# Altium PCB FMC_DAC_125M_14B_16CHA.PcbDoc (part 9 of 9) (continued)
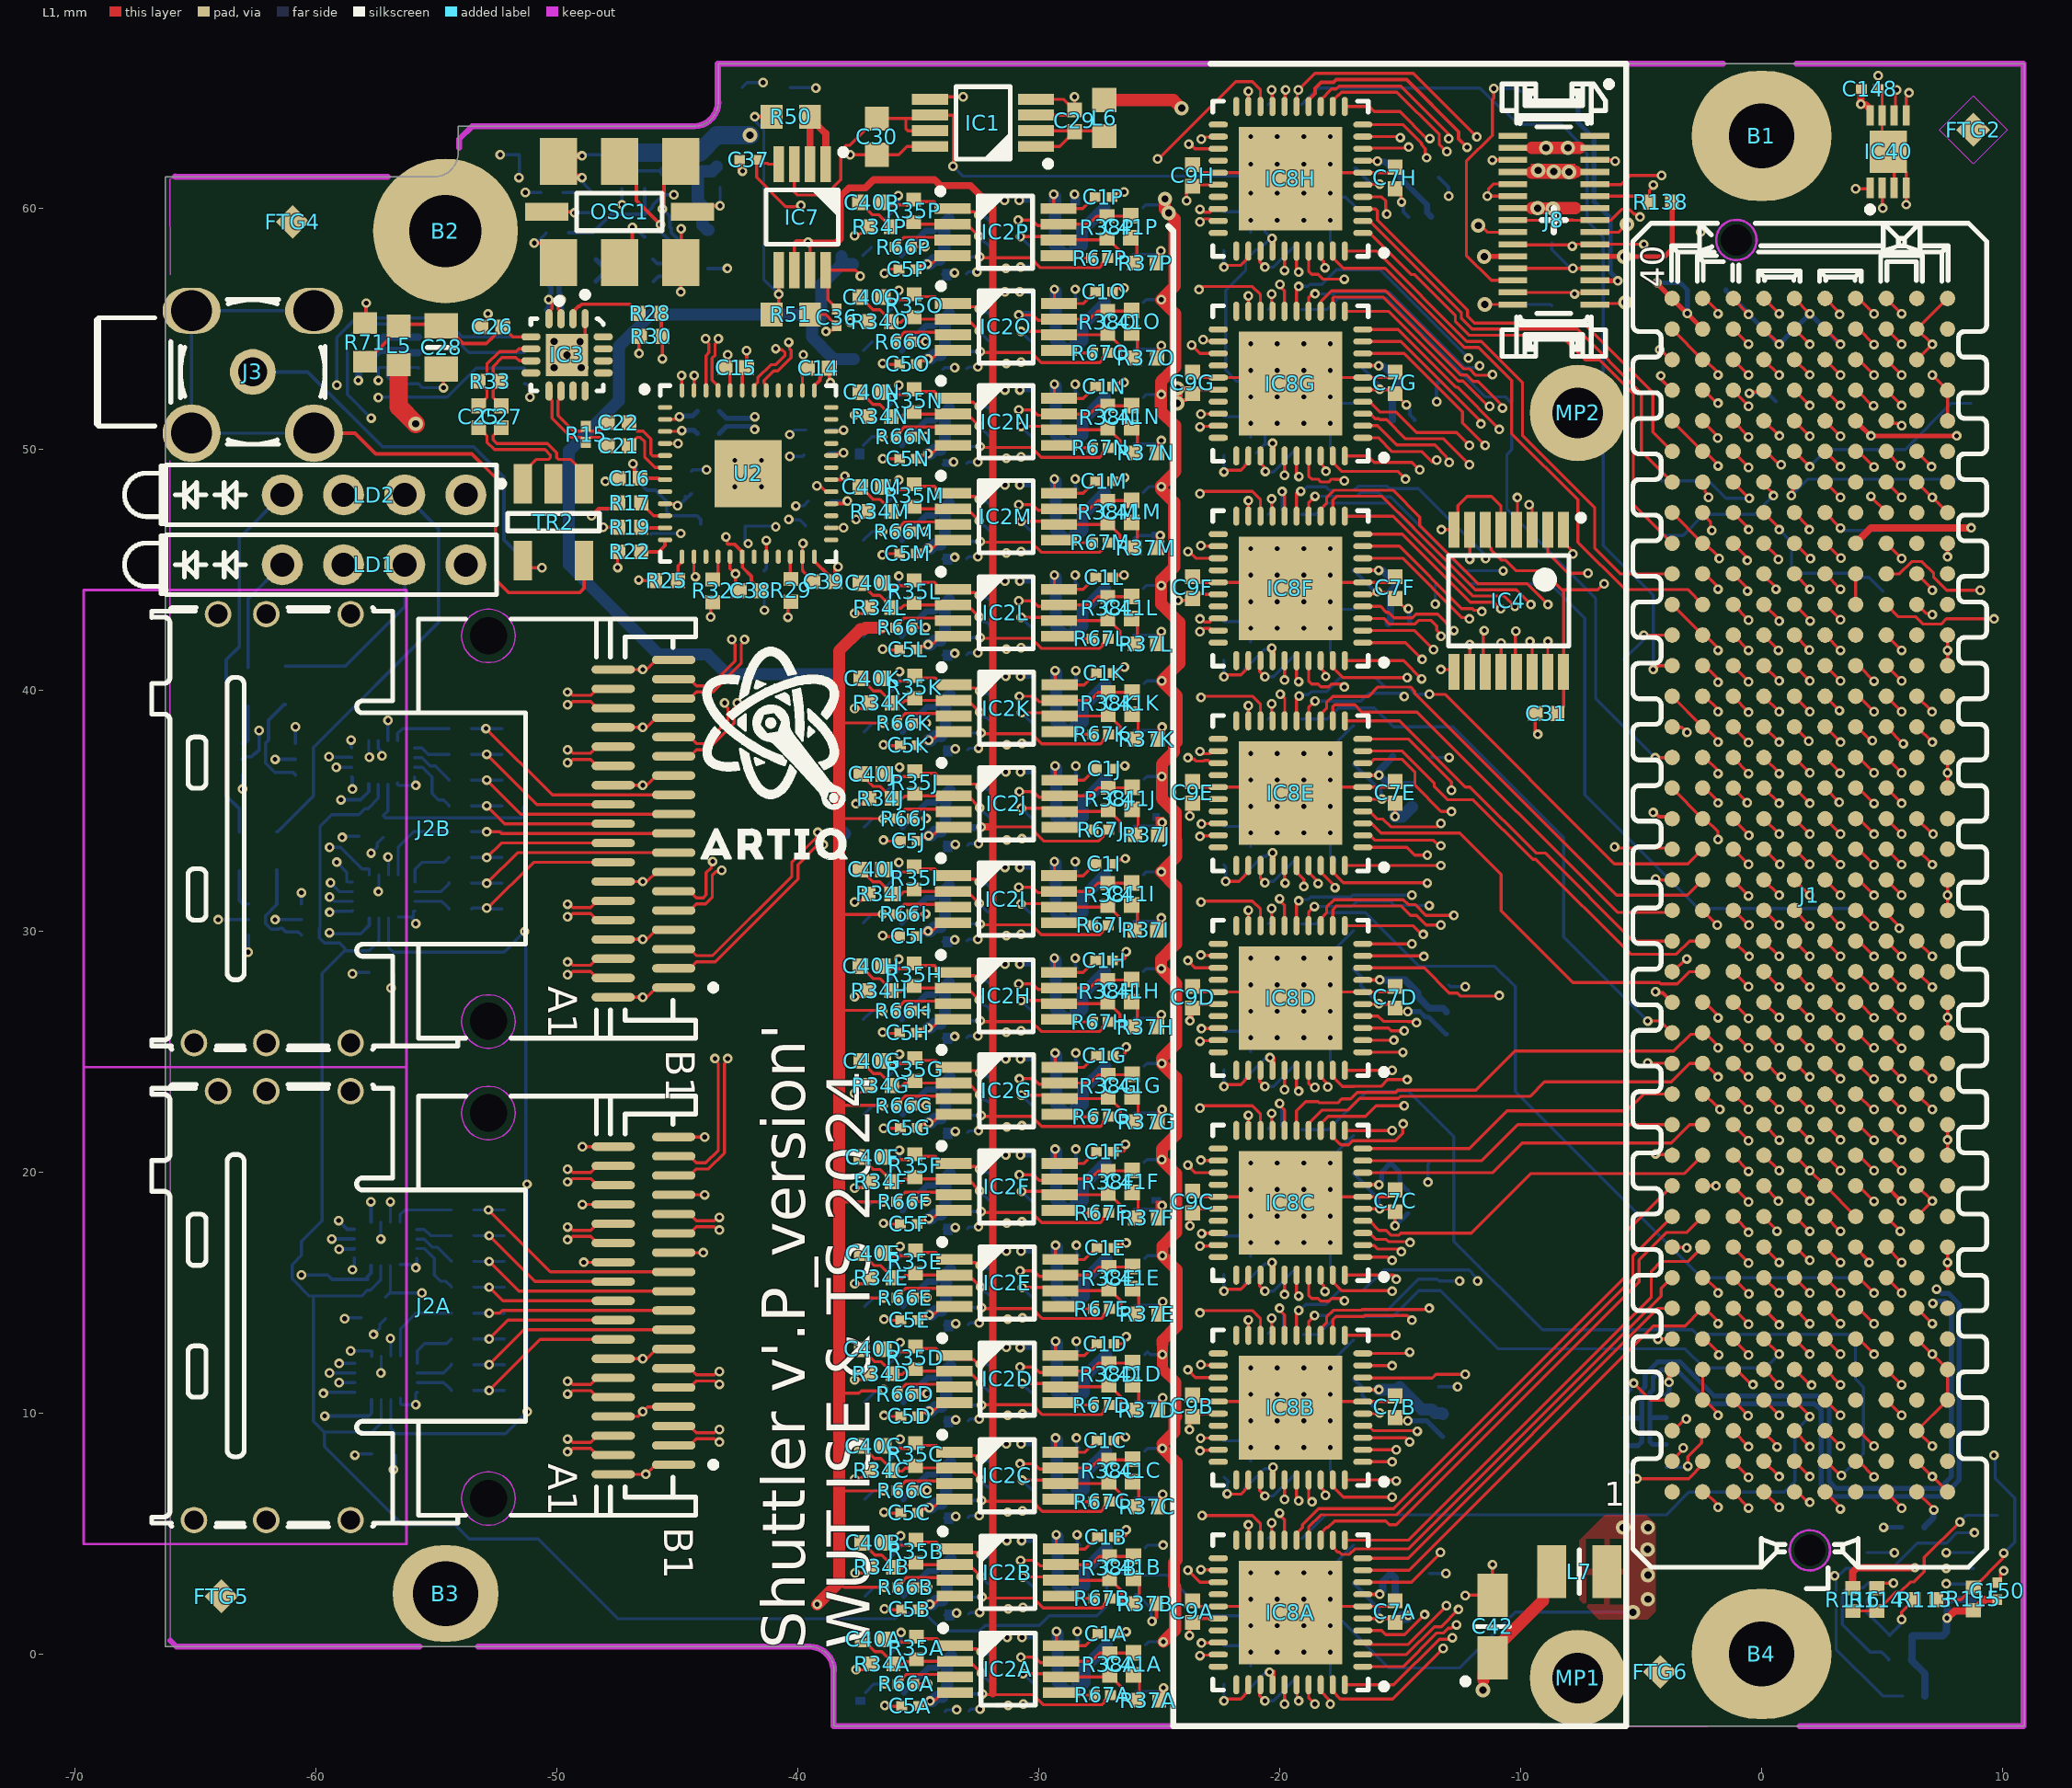
[diagram p0: L1 view]
## Nets (pads, with @x,y where several pads share a name; then routed paths per layer and width w, separated by ;. In a path a pad name is that pad's centre, name@x,y a point inside that pad or via, vN(x,y) a via of type N, cw(c..) or ccw(c..) an arc to the next point about the centre after c; other vN are vias at no path point) (continued)
  other v4: -11.565,-1.5
VIO_B_M2C: J1.j39 J1.k40 R12.2 | length 5.2
  L1 w0.127: J1.j39@-2.445,54.986 J1.j39@-2.357,54.986
  L1 w0.2: v1@-4.35,56.891 J1.k40@-3.715,56.256 J1.j39@-2.445,54.986
  L8 w0.2: v1(-4.35,56.907) -3.368,56.907 R12.2@-3.08,56.619 v1(-3.08,55.637)
VREF_A_M2C: J1.h1 | length 0.9
  L1 w0.127: J1.h1@-1.175,6.726 -1.175,6.71 -0.54,6.075 v1(-0.54,6.059)
pads on no net: FTG1.1 FTG2.1 FTG3.1 FTG4.1 FTG5.1 FTG6.1 IC3.8 IC3.11 IC3.12 IC3.13 IC3.14 IC3.15 IC3.16 IC8A.20 IC8A.21 IC8A.24 IC8A.27 IC8A.30 IC8A.31 IC8B.20 IC8B.21 IC8B.24 IC8B.27 IC8B.30 IC8B.31 IC8C.20 IC8C.21 IC8C.24 IC8C.27 IC8C.30 IC8C.31 IC8D.20 IC8D.21 IC8D.24 IC8D.27 IC8D.30 IC8D.31 IC8E.20 IC8E.21 IC8E.24 IC8E.27 IC8E.30 IC8E.31 IC8F.20 IC8F.21 IC8F.24 IC8F.27 IC8F.30 IC8F.31 IC8G.20 IC8G.21 IC8G.24 IC8G.27 IC8G.30 IC8G.31 IC8H.20 IC8H.21 IC8H.24 IC8H.27 IC8H.30 IC8H.31 J1.1 J1.2 J1.a2 J1.a3 J1.a6 J1.a7 J1.a10 J1.a11 J1.a14 J1.a15 J1.a18 J1.a19 J1.a22 J1.a23 J1.a26 J1.a27 J1.a30 J1.a31 J1.a34 J1.a35 J1.a38 J1.a39 J1.b4 J1.b5 J1.b8 J1.b9 J1.b12 J1.b13 J1.b16 J1.b17 J1.b20 J1.b21 J1.b24 J1.b25 J1.b28 J1.b29 J1.b32 J1.b33 J1.b36 J1.b37 J1.b40 J1.c2 J1.c3 J1.c6 J1.c7 J1.d1 J1.d4 J1.d5 J1.d29 J1.d33 J1.d34 J1.k1 J2A.MTG1 J2A.MTG2 J2B.MTG1 J2B.MTG2 J8.1 J8.2 TR2.2 U2.1 U2.8 U2.15 U2.19 U2.21 U2.25 U2.27 U2.31 U2.33 U2.35 U2.36 U2.39 U2.40

## Polygon pours and split planes (outlines as drawn)
VADJ on L1 "O8_Vs2" (solid, remove dead copper, pour order 1): -7.569,2.242 -6.757,1.431 -4.731,1.431 -4.408,1.754 -4.408,5.403 -4.777,5.772 -6.512,5.772 -7.569,4.716
P1V8A on L3 "dd" (solid, remove dead copper, pour order 10): -12.115,58.909 -11.959,58.753 -4.913,58.756 -4.558,59.111 -4.558,61.258 -8.853,65.553 -17.944,65.553 -18.395,66.004 -40.053,66.004 -46.91,59.147 -47.035,59.147 -51.34,54.842 -51.34,47.044 -48.383,44.086 -42.766,44.086 -41.445,45.407 -41.445,58.241 -36.944,62.742 -26.863,62.742 -25.099,64.507 -21.898,64.507 -21.688,64.297 -21.215,64.297 -21.215,5.085 -20.927,4.797 -19.615,4.797 -17.908,6.504 -17.908,63.472 -12.281,63.472 -11.959,63.15 -11.959,61.72 -12.115,61.564 -12.115,59.634
VADJ_BUF on L3 "O8_Vs2" (solid, remove dead copper, pour order 5): -17.192,1.46 -13.664,-2.068 -10.635,-2.068 -10.018,-1.451 -10.018,-0.305 -10.997,0.674 -12.402,0.674 -14.3,2.572 -14.3,62.236 -15.037,62.972 -16.485,62.972 -17.192,62.265
VADJ on L3 "O8_Vs2" (solid, remove dead copper, pour order 0): -1.175,56.248 -1.175,54.189 -0.384,53.398 0.981,53.398 1.642,52.737 1.642,48.359 5.815,44.186 5.815,9.213 2.692,6.091 -6.194,6.091 -7.569,4.716 -7.569,2.242 -6.715,1.389 -6.715,1.285 6.29,1.285 8.833,3.827 8.833,45.586 4.148,50.27 4.148,54.373 2.163,56.358 -1.065,56.358
P3V3 on L3 "O8_Vs2" (solid, remove dead copper, pour order 2): 2.703,58.732 6.348,55.086 6.348,52.979 5.302,51.933 5.302,50.515 4.905,50.118 4.148,50.118 4.148,50.832 4.401,51.085 4.315,51.172 4.315,54.576 2.43,56.46 -10.918,56.46 -11.701,57.243 -11.959,57.501 -11.958,58.565 -11.792,58.732
P3V3A on L3 "O8_Vs2" (solid, remove dead copper, pour order 4): -24.349,-0.244 -22.559,-0.244 -21.577,0.738 -21.577,63.925 -22.052,64.4 -24.516,64.4 -24.516,61.997 -24.421,61.903 -24.421,-0.172
NetC13_2 on L5 "O8_Vs2" (solid, remove dead copper, pour order 11): -47.299,50.014 -45.151,52.162 -42.766,54.547 -41.825,54.547 -41.309,54.032 -41.309,52.32 -40.902,51.912 -40.146,51.912 -38.794,53.264 -38.407,53.264 -37.75,52.607 -37.75,44.817 -38.01,44.558 -38.072,44.62 -38.588,44.62 -39.507,45.541 -44.823,45.541 -47.299,48.016
P3V3A on L5 "O8_Vs2" (solid, remove dead copper, pour order 13): -24.585,51.786 -23.054,51.779 -21.577,53.255 -21.577,56.419 -20.19,57.806 -16.295,57.806 -13.724,55.235 -5.354,55.235 -4.542,56.047 -4.751,56.257 -4.751,56.692 -4.935,56.692 -5.181,56.938 -11.558,56.938 -15.302,60.682 -24.47,60.682 -24.933,60.22 -24.933,52.133
P5V0A on L7 "O8_Vs2" (solid, remove dead copper, pour order 14): -25.363,60.89 -23.824,62.429 -12.641,62.429 -10.708,60.496 -8.474,60.496 -8.091,60.113 -8.091,59.1 -8.864,58.326 -24.179,58.326 -25.363,59.51
P12V0 on L7 "O8_Vs2" (solid, remove dead copper, pour order 12): 5.074,48.859 5.856,48.859 6.813,49.816 6.813,54.424 2.911,58.326 -2.247,58.326 -7.182,63.26 -9.425,63.26 -9.897,62.788 -9.897,62.13 -9.722,61.956 -8.018,61.956 -7.247,61.185 -7.247,59.305 -2.805,54.863 2.757,54.863 4.148,53.472 4.148,48.865
N3V0A on L8 "L8-N3V0A" (solid, remove dead copper, pour order 8): -7.597,60.789 -7.542,60.734 -7.247,61.029 -7.247,61.546 -7.811,62.111 -8.919,62.111 -11.795,64.987 -37.141,64.987 -40.781,61.347 -40.781,57.056 -41.745,56.092 -46.547,56.092 -51.12,51.518 -51.12,44.824 -45.268,38.972 -40.859,38.972 -39.706,37.819 -39.706,29.649 -39.706,1.257 -36.2,1.257 -36.2,46.807 -46.997,46.807 -46.997,50.159 -44.634,52.522 -40.52,52.522 -36.45,52.522 -36.45,60.341 -34.592,62.2 -13.111,62.2 -11.672,60.762 -7.772,60.762 -7.991,60.789
P5V0A on L8 "O8_Vs2" (solid, remove dead copper, pour order 15): -25.914,0.034 -25.37,-0.511 -24.092,-0.511 -23.315,0.266 -23.315,60.39 -23.975,61.05 -25.67,61.05 -25.914,60.806
GND on P4 (split plane): 10.39,-2.49 -37.99,-2.49 -37.99,-0.7 -37.99,-0.698 -37.999,-0.531 -38.028,-0.364 -38.074,-0.201 -38.139,-0.045 -38.221,0.104 -38.319,0.242 -38.432,0.368 -38.558,0.481 -38.696,0.579 -38.845,0.661 -39.001,0.726 -39.164,0.773 -39.331,0.801 -39.479,0.809 -39.489,0.81 -39.494,0.81 -39.497,0.81 -39.5,0.81 -65.739,0.81 -65.739,60.79 -55.1,60.79 -55.099,60.79 -55.074,60.791 -55.064,60.791 -55.057,60.792 -54.931,60.799 -54.764,60.828 -54.601,60.874 -54.445,60.939 -54.296,61.021 -54.158,61.119 -54.032,61.232 -53.919,61.358 -53.821,61.496 -53.739,61.645 -53.674,61.801 -53.628,61.964 -53.599,62.131 -53.592,62.266 -53.59,62.275 -53.591,62.284 -53.59,62.298 -53.59,62.3 -53.59,62.89 -44.3,62.89 -44.298,62.89 -44.131,62.899 -43.964,62.928 -43.801,62.974 -43.645,63.039 -43.496,63.121 -43.358,63.219 -43.232,63.332 -43.119,63.458 -43.021,63.596 -42.939,63.745 -42.874,63.901 -42.828,64.064 -42.799,64.231 -42.79,64.399 -42.79,64.4 -42.79,65.49 10.39,65.49
GND on P6 (split plane): 10.39,-2.49 -37.99,-2.49 -37.99,-0.7 -37.99,-0.698 -37.999,-0.531 -38.028,-0.364 -38.074,-0.201 -38.139,-0.045 -38.221,0.104 -38.319,0.242 -38.432,0.368 -38.558,0.481 -38.696,0.579 -38.845,0.661 -39.001,0.726 -39.164,0.773 -39.331,0.801 -39.479,0.809 -39.489,0.81 -39.494,0.81 -39.497,0.81 -39.5,0.81 -65.739,0.81 -65.739,60.79 -55.1,60.79 -55.099,60.79 -55.074,60.791 -55.064,60.791 -55.057,60.792 -54.931,60.799 -54.764,60.828 -54.601,60.874 -54.445,60.939 -54.296,61.021 -54.158,61.119 -54.032,61.232 -53.919,61.358 -53.821,61.496 -53.739,61.645 -53.674,61.801 -53.628,61.964 -53.599,62.131 -53.592,62.266 -53.59,62.275 -53.591,62.284 -53.59,62.298 -53.59,62.3 -53.59,62.89 -44.3,62.89 -44.298,62.89 -44.131,62.899 -43.964,62.928 -43.801,62.974 -43.645,63.039 -43.496,63.121 -43.358,63.219 -43.232,63.332 -43.119,63.458 -43.021,63.596 -42.939,63.745 -42.874,63.901 -42.828,64.064 -42.799,64.231 -42.79,64.399 -42.79,64.4 -42.79,65.49 10.39,65.49
VADJ_BUF on P2 (split plane): -14.97,61.83 -14.96,61.781 -14.932,61.739 -14.319,61.126 -14.319,60.11 -14.665,59.764 -15.517,59.764 -16.717,60.964 -16.717,63.241 -16.717,63.323 -16.727,63.373 -16.755,63.415 -17.105,63.764 -17.147,63.792 -17.196,63.802 -23.352,63.802 -23.401,63.792 -23.443,63.764 -23.755,63.453 -40.127,63.453 -40.176,63.443 -40.218,63.415 -41.454,62.179 -41.942,62.179 -43.167,63.404 -43.119,63.458 -43.021,63.596 -42.939,63.745 -42.874,63.901 -42.828,64.064 -42.799,64.231 -42.79,64.399 -42.79,64.4 -42.79,65.49 -14.97,65.49
GND on P2 (split plane): 10.39,-2.49 -37.99,-2.49 -37.99,-0.7 -37.99,-0.698 -37.999,-0.531 -38.028,-0.364 -38.074,-0.201 -38.139,-0.045 -38.221,0.104 -38.319,0.242 -38.432,0.368 -38.558,0.481 -38.696,0.579 -38.845,0.661 -39.001,0.726 -39.164,0.773 -39.331,0.801 -39.479,0.809 -39.489,0.81 -39.494,0.81 -39.497,0.81 -39.5,0.81 -65.739,0.81 -65.739,60.79 -55.1,60.79 -55.099,60.79 -55.074,60.791 -55.064,60.791 -55.057,60.792 -54.931,60.799 -54.764,60.828 -54.601,60.874 -54.445,60.939 -54.296,61.021 -54.158,61.119 -54.032,61.232 -53.919,61.358 -53.821,61.496 -53.739,61.645 -53.674,61.801 -53.628,61.964 -53.599,62.131 -53.592,62.266 -53.59,62.275 -53.591,62.284 -53.59,62.298 -53.59,62.3 -53.59,62.89 -44.3,62.89 -44.298,62.89 -44.131,62.899 -43.964,62.928 -43.801,62.974 -43.645,63.039 -43.496,63.121 -43.358,63.219 -43.353,63.224 -42.088,61.958 -42.046,61.93 -41.996,61.92 -41.4,61.92 -41.35,61.93 -41.308,61.958 -40.073,63.194 -23.701,63.194 -23.651,63.204 -23.609,63.232 -23.298,63.543 -17.25,63.543 -16.976,63.27 -16.976,63.241 -16.976,60.911 -16.966,60.861 -16.938,60.819 -15.662,59.543 -15.62,59.515 -15.571,59.505 -14.611,59.505 -14.562,59.515 -14.52,59.543 -14.098,59.964 -14.07,60.006 -14.06,60.056 -14.06,61.18 -14.07,61.229 -14.098,61.271 -14.711,61.884 -14.711,65.49 10.39,65.49

## Keep-outs
L5:
  circle w0.01: c-30.69,11.222 r0.35
  circle w0.01: c-32.421,7.228 r0.35
  circle w0.01: c-30.69,7.208 r0.35
  circle w0.01: c-32.396,3.214 r0.35
  circle w0.01: c-30.664,3.195 r0.35
  circle w0.01: c-30.655,-0.818 r0.35
  circle w0.01: c-32.386,-0.799 r0.35
  circle w0.01: c-32.497,58.84 r0.35
  circle w0.01: c-30.766,58.821 r0.35
  circle w0.01: c-32.472,54.903 r0.35
  circle w0.01: c-30.741,54.884 r0.35
  circle w0.01: c-32.472,50.966 r0.35
  circle w0.01: c-30.741,50.947 r0.35
  circle w0.01: c-32.472,47.029 r0.35
  circle w0.01: c-30.741,47.01 r0.35
  circle w0.01: c-32.472,43.041 r0.35
  circle w0.01: c-30.741,43.022 r0.35
  circle w0.01: c-32.447,39.079 r0.35
  circle w0.01: c-30.715,39.06 r0.35
  circle w0.01: c-32.447,35.117 r0.35
  circle w0.01: c-30.715,35.097 r0.35
  circle w0.01: c-32.472,31.154 r0.35
  circle w0.01: c-30.741,31.135 r0.35
  circle w0.01: c-32.472,27.141 r0.35
  circle w0.01: c-30.741,27.122 r0.35
  circle w0.01: c-32.447,23.204 r0.35
  circle w0.01: c-30.715,23.185 r0.35
  circle w0.01: c-32.447,19.216 r0.35
  circle w0.01: c-30.715,19.197 r0.35
  circle w0.01: c-32.421,15.229 r0.35
  circle w0.01: c-30.69,15.209 r0.35
  circle w0.01: c-32.421,11.241 r0.35
  lines w0.01: -31.084,57.693 ccw(c-31.376,57.5) -31.05,57.371 ccw(c-30.758,57.564) -31.084,57.693 ; -31.058,25.994 cw(c-30.733,25.865) -31.025,25.672 cw(c-31.35,25.801) -31.058,25.994 ; -31.058,30.007 cw(c-30.733,29.878) -31.025,29.685 cw(c-31.35,29.814) -31.058,30.007 ; -31.058,41.894 cw(c-30.733,41.765) -31.025,41.572 cw(c-31.35,41.701) -31.058,41.894 ; -31.058,45.882 ccw(c-31.35,45.689) -31.025,45.56 ccw(c-30.733,45.753) -31.058,45.882 ; -31.058,49.819 ccw(c-31.35,49.626) -31.025,49.497 ccw(c-30.733,49.69) -31.058,49.819 ; -31.058,53.756 ccw(c-31.35,53.563) -31.025,53.434 ccw(c-30.733,53.627) -31.058,53.756 ; -31.033,18.069 ccw(c-31.325,17.876) -30.999,17.747 ccw(c-30.707,17.94) -31.033,18.069 ; -31.033,22.057 ccw(c-31.325,21.864) -30.999,21.735 ccw(c-30.707,21.928) -31.033,22.057 ; -31.033,33.969 cw(c-30.707,33.84) -30.999,33.647 cw(c-31.325,33.777) -31.033,33.969 ; -31.033,37.932 ccw(c-31.325,37.739) -30.999,37.61 ccw(c-30.707,37.803) -31.033,37.932 ; -31.007,6.08 ccw(c-31.299,5.888) -30.974,5.758 ccw(c-30.682,5.951) -31.007,6.08 ; -31.007,10.094 ccw(c-31.299,9.901) -30.974,9.772 ccw(c-30.682,9.964) -31.007,10.094 ; -31.007,14.081 ccw(c-31.299,13.889) -30.974,13.759 ccw(c-30.682,13.952) -31.007,14.081 ; -30.982,2.067 cw(c-30.657,1.938) -30.949,1.745 cw(c-31.274,1.874) -30.982,2.067 ; -30.972,-1.946 ccw(c-31.264,-2.139) -30.939,-2.268 ccw(c-30.647,-2.075) -30.972,-1.946
L7:
  circle w0.01: c-30.655,-0.818 r0.35
  circle w0.01: c-30.664,3.195 r0.35
  circle w0.01: c-32.396,3.214 r0.35
  circle w0.01: c-30.69,7.208 r0.35
  circle w0.01: c-32.421,7.228 r0.35
  circle w0.01: c-30.69,11.222 r0.35
  circle w0.01: c-32.421,11.241 r0.35
  circle w0.01: c-30.69,15.209 r0.35
  circle w0.01: c-32.421,15.229 r0.35
  circle w0.01: c-30.715,19.197 r0.35
  circle w0.01: c-32.447,19.216 r0.35
  circle w0.01: c-30.715,23.185 r0.35
  circle w0.01: c-32.447,23.204 r0.35
  circle w0.01: c-30.741,27.122 r0.35
  circle w0.01: c-32.472,27.141 r0.35
  circle w0.01: c-30.741,31.135 r0.35
  circle w0.01: c-32.472,31.154 r0.35
  circle w0.01: c-30.715,35.097 r0.35
  circle w0.01: c-32.447,35.117 r0.35
  circle w0.01: c-30.715,39.06 r0.35
  circle w0.01: c-32.447,39.079 r0.35
  circle w0.01: c-30.741,43.022 r0.35
  circle w0.01: c-32.472,43.041 r0.35
  circle w0.01: c-30.741,47.01 r0.35
  circle w0.01: c-32.472,47.029 r0.35
  circle w0.01: c-30.741,50.947 r0.35
  circle w0.01: c-32.472,50.966 r0.35
  circle w0.01: c-30.741,54.884 r0.35
  circle w0.01: c-32.472,54.903 r0.35
  circle w0.01: c-30.766,58.821 r0.35
  circle w0.01: c-32.497,58.84 r0.35
  circle w0.01: c-32.386,-0.799 r0.35
  lines w0.01: -31.084,57.693 cw(c-30.758,57.564) -31.05,57.371 cw(c-31.376,57.5) -31.084,57.693 ; -31.058,25.994 ccw(c-31.35,25.801) -31.025,25.672 ccw(c-30.733,25.865) -31.058,25.994 ; -31.058,30.007 cw(c-30.733,29.878) -31.025,29.685 cw(c-31.35,29.814) -31.058,30.007 ; -31.058,41.894 cw(c-30.733,41.765) -31.025,41.572 cw(c-31.35,41.701) -31.058,41.894 ; -31.058,45.882 cw(c-30.733,45.753) -31.025,45.56 cw(c-31.35,45.689) -31.058,45.882 ; -31.058,49.819 cw(c-30.733,49.69) -31.025,49.497 cw(c-31.35,49.626) -31.058,49.819 ; -31.058,53.756 cw(c-30.733,53.627) -31.025,53.434 cw(c-31.35,53.563) -31.058,53.756 ; -31.033,18.069 cw(c-30.707,17.94) -30.999,17.747 cw(c-31.325,17.876) -31.033,18.069 ; -31.033,22.057 cw(c-30.707,21.928) -30.999,21.735 cw(c-31.325,21.864) -31.033,22.057 ; -31.033,33.969 cw(c-30.707,33.84) -30.999,33.647 cw(c-31.325,33.777) -31.033,33.969 ; -31.033,37.932 cw(c-30.707,37.803) -30.999,37.61 cw(c-31.325,37.739) -31.033,37.932 ; -31.007,6.08 cw(c-30.682,5.951) -30.974,5.758 cw(c-31.299,5.888) -31.007,6.08 ; -31.007,10.094 cw(c-30.682,9.964) -30.974,9.772 cw(c-31.299,9.901) -31.007,10.094 ; -31.007,14.081 cw(c-30.682,13.952) -30.974,13.759 cw(c-31.299,13.889) -31.007,14.081 ; -30.982,2.067 cw(c-30.657,1.938) -30.949,1.745 cw(c-31.274,1.874) -30.982,2.067 ; -30.972,-1.946 cw(c-30.647,-2.075) -30.939,-2.268 cw(c-31.264,-2.139) -30.972,-1.946
Keep-Out Layer:
  circle w0.05: c-52.845,42.25 r1.112
  circle w0.05: c-52.845,26.25 r1.112
  circle w0.05: c-52.845,6.45 r1.112
  circle w0.05: c-52.845,22.45 r1.112
  circle w0.1: c2,4.3 r0.836
  circle w0.1: c-1.048,58.681 r0.839
  lines w0.05: -66.072,49.536 -66.047,0.554 ; -66.072,52.165 -66.072,54.585 ; -66.047,57.246 -66.072,61.209 -65.843,61.31 ; -5.722,-3.002 -2.216,-2.996 -2.216,-3.002
  lines w0.127: -44.3,63.4 ccw(c-44.3,64.4) -43.3,64.4 -43.3,66 ; -39.5,0.3 cw(c-39.5,-0.7) -38.5,-0.7 -38.5,-3 ; 10.9,-3 10.9,66
  lines w0.254: -66.047,0.554 -65.797,0.304 -55.701,0.304 ; -65.843,61.31 -57.014,61.304 ; -54.058,62.504 -54.058,62.868 -53.521,63.404 -44.325,63.404 ; -53.521,63.4 -44.3,63.4 ccw(c-44.3,64.4) -43.3,64.4 ; -53.27,0.304 -39.525,0.304 cw(c-39.525,-0.696) -38.525,-0.696 -38.525,-2.996 -9.278,-2.996 ; -44.325,63.404 ccw(c-44.325,64.404) -43.325,64.404 -43.325,66.004 -1.599,66.004 ; -39.5,0.3 cw(c-39.5,-0.7) -38.5,-0.7 ; 1.449,66.004 10.875,66.004 10.875,-2.996 1.576,-2.996

## Other copper
L1:
  rectangle net N3V0A: -9.577,61.222 -7.728,61.842
  rectangle net NetC19_2: -49.308,61.133 -49.029,61.437
  rectangle net NetC19_2: -49.384,62.047 -49.029,62.326
  rectangle net GND: -25.127,57.856 -24.822,58.237
  rectangle net GND: -25.102,50.007 -24.822,50.388
  rectangle net GND: -25.153,46.045 -24.822,46.426
  rectangle net GND: -25.102,42.006 -24.797,42.438
  rectangle net GND: -25.076,38.095 -24.772,38.501
  rectangle net GND: -25.153,34.158 -24.797,34.742
  rectangle net GND: -25.102,30.246 -24.797,30.551
  rectangle net P3V3A: -23.832,26.309 -23.578,26.614
  rectangle net GND: -25.102,26.157 -24.797,26.538
  rectangle net GND: -25.076,22.194 -24.772,22.601
  rectangle net GND: -25.153,18.181 -24.772,18.816
  rectangle net GND: -25.051,14.193 -24.746,14.625
  rectangle net GND: -25.051,10.256 -24.746,10.637
  rectangle net GND: -25.051,6.167 -24.746,6.599
  rectangle net GND: -25,-1.732 -24.721,-1.402
  rectangle net GND: -42.526,61.59 -42.196,61.869
  rectangle net P3V3A: -24.086,51.963 -23.857,52.116
  rectangle net P3V3A: -24.467,52.039 -24.035,52.547
  rectangle net GND: -25.102,53.995 -24.772,54.3
  rectangle net DAC_REF: -20.377,58.466 -20.174,58.77
  rectangle net DAC_REF: -20.352,49.855 -20.174,50.261
  rectangle net DAC_REF: -20.352,41.321 -20.174,41.778
  rectangle net DAC_REF: -20.327,32.888 -20.174,33.243
  rectangle net DAC_REF: -20.403,24.379 -20.174,24.785
  rectangle net DAC_REF: -20.403,15.844 -20.174,16.251
  rectangle net DAC_REF: -20.403,7.259 -20.174,7.666
  rectangle net DAC_REF: -20.403,-1.072 -20.174,-0.666
L8:
  rectangle net GND: -25.33,18.689 -24.924,18.969
  rectangle net GND: -25.28,34.564 -24.975,34.894
  rectangle net GND: -25.33,46.299 -25,46.578
  rectangle net GND: -21.393,50.769 -21.038,51.049
  rectangle net N3V0A: -37.624,-2.113 -37.192,-1.783
  rectangle net GND: -21.419,42.26 -21.012,42.565
  rectangle net GND: -21.419,33.751 -21.012,34.082
  rectangle net GND: -21.419,25.192 -20.936,25.573
  rectangle net GND: -21.444,16.759 -20.987,17.089
  rectangle net GND: -21.419,8.275 -20.987,8.605
  rectangle net N3V0A: -37.634,49.566 -37.237,50.029
  region net GND: -21.44,-0.008 -21.44,-0.405 -20.977,-0.405 -20.977,-0.008
  region net GND: -21.44,59.522 -21.44,59.125 -20.977,59.125 -20.977,59.522
  region net GND: -28.688,60.498 -28.688,60.102 -28.29,60.102 -28.29,60.498
  rectangle net NetC41O_2: -30.715,55.281 -30.319,55.744
  rectangle net GND: -33.916,1.382 -33.519,1.846
  rectangle net GND: -33.941,5.396 -33.544,5.859
  rectangle net GND: -33.941,9.409 -33.544,9.872
  rectangle net GND: -33.941,13.397 -33.544,13.86
  rectangle net GND: -33.966,17.384 -33.57,17.848
  rectangle net GND: -33.966,21.372 -33.57,21.835
  rectangle net GND: -33.992,25.309 -33.595,25.772
  rectangle net GND: -33.992,29.322 -33.595,29.786
  rectangle net GND: -33.966,33.285 -33.57,33.748
  rectangle net GND: -33.966,37.247 -33.57,37.71
  rectangle net GND: -33.992,41.209 -33.595,41.673
  rectangle net GND: -33.992,45.197 -33.595,45.661
  rectangle net GND: -33.992,49.278 -33.535,49.598
  rectangle net GND: -34.017,57.008 -33.621,57.472
P2 (plane layer: these items are gaps in the copper):
  lines w0.254: -43.619,63.673 -41.996,62.05 -41.4,62.05 -40.127,63.323 -23.701,63.323 -23.352,63.673 -17.196,63.673 -16.847,63.323 -16.847,63.241 -16.847,60.911 -15.571,59.634 -14.611,59.634 -14.19,60.056 -14.19,61.18 -14.84,61.83 -14.84,66.009

## Silkscreen, mask and mechanical layers (free items; w line width, h text height)
TopOverlay:
  drawing of 1244 lines, arcs and shapes, not listed
  text "Shuttler v'.P_version' / WUT ISE & TS 2024" at -37.008,0.203 h1.8 r90
BottomOverlay:
  drawing of 1237 lines, arcs and shapes, not listed
  text "SCL" at -41.445,62.567 h1.4
  text "SDA" at -38.54,62.567 h1.4
  text "LA33" at 2.356,53.272 h1.4
  text "SCLK" at 10.026,53.182 h1.4
  text "RESET" at 7.119,48.689 h1.4
  text "CSA2" at -5.595,48.156 h1.4
  text "CSA1" at 3.626,46.375 h1.4
  text "CSn" at -5.595,45.994 h1.4
  text "CSA0" at 3.626,43.556 h1.4
  text "SDIO" at -4.147,42.572 h1.4
  text "CSn0" at -10.136,40.332 h1.4
  text "Shuttler v'.P_version' / WUT ISE & TS 2024" at -12.227,7.155 h1.8 r270
  text "SDA" at 10.915,7.068 h0.76
  text "SCL" at 9.188,5.979 h0.76
Mechanical 1:
  drawing of 516 lines, arcs and shapes, not listed
  text "Layer" at -87.342,144.488 h1.52
  text "Name" at -76.931,144.488 h1.52
  text "Material" at -54.839,144.488 h1.52
  text "Thickness" at -33.001,144.488 h1.52
  text "Constant" at -16.495,144.488 h1.52
  text "Board Layer Stack" at -2.02,144.488 h1.52
  text "TopOverlay" at -76.931,141.44 h1.52
  text "TopSolder" at -76.931,138.392 h1.52
  text "Solder Resist" at -54.839,138.392 h1.52
  text "0.010mm" at -33.001,138.392 h1.52
  text "3.5" at -16.495,138.392 h1.52
  text "1" at -87.342,135.344 h1.52
  text "L1" at -76.931,135.344 h1.52
  text "0.035mm" at -33.001,135.344 h1.52
  text "Dielectric1" at -76.931,132.296 h1.52
  text "FR-4" at -54.839,132.296 h1.52
  text "0.150mm" at -33.001,132.296 h1.52
  text "4.8" at -16.495,132.296 h1.52
  text "2" at -87.342,129.248 h1.52
  text "P2" at -76.931,129.248 h1.52
  text "0.018mm" at -33.001,129.248 h1.52
  text "Dielectric2" at -76.931,126.2 h1.52
  text "FR-4" at -54.839,126.2 h1.52
  text "0.210mm" at -33.001,126.2 h1.52
  text "4.8" at -16.495,126.2 h1.52
  text "3" at -87.342,123.152 h1.52
  text "L3" at -76.931,123.152 h1.52
  text "0.018mm" at -33.001,123.152 h1.52
  text "Dielectric 3" at -76.931,120.104 h1.52
  text "PP-006" at -54.839,120.104 h1.52
  text "0.165mm" at -33.001,120.104 h1.52
  text "4.1" at -16.495,120.104 h1.52
  text "4" at -87.342,117.056 h1.52
  text "P4" at -76.931,117.056 h1.52
  text "CF-004" at -54.839,117.056 h1.52
  text "0.018mm" at -33.001,117.056 h1.52
  text "Dielectric 4" at -76.931,114.008 h1.52
  text "FR-4" at -54.839,114.008 h1.52
  text "0.210mm" at -33.001,114.008 h1.52
  text "4.8" at -16.495,114.008 h1.52
  text "5" at -87.342,110.96 h1.52
  text "L5" at -76.931,110.96 h1.52
  text "CF-003" at -54.839,110.96 h1.52
  text "0.018mm" at -33.001,110.96 h1.52
  text "Dielectric 5" at -76.931,107.912 h1.52
  text "FR-4" at -54.839,107.912 h1.52
  text "0.165mm" at -33.001,107.912 h1.52
  text "4.8" at -16.495,107.912 h1.52
  text "6" at -87.342,104.864 h1.52
  text "P6" at -76.931,104.864 h1.52
  text "0.018mm" at -33.001,104.864 h1.52
  text "Dielectric6" at -76.931,101.816 h1.52
  text "FR-4" at -54.839,101.816 h1.52
  text "0.210mm" at -33.001,101.816 h1.52
  text "4.8" at -16.495,101.816 h1.52
  text "7" at -87.342,98.768 h1.52
  text "L7" at -76.931,98.768 h1.52
  text "0.018mm" at -33.001,98.768 h1.52
  text "Dielectric7" at -76.931,95.72 h1.52
  text "FR-4" at -54.839,95.72 h1.52
  text "0.150mm" at -33.001,95.72 h1.52
  text "4.8" at -16.495,95.72 h1.52
  text "8" at -87.342,92.672 h1.52
  text "L8" at -76.931,92.672 h1.52
  text "0.035mm" at -33.001,92.672 h1.52
  text "BottomSolder" at -76.931,89.624 h1.52
  text "Solder Resist" at -54.839,89.624 h1.52
  text "0.010mm" at -33.001,89.624 h1.52
  text "3.5" at -16.495,89.624 h1.52
  text "BottomOverlay" at -76.931,86.576 h1.52
  text "Total board thickness:" at -87.342,83.528 h1.52
  text "1.458mm" at -33.001,83.528 h1.52
Mechanical 2:
  circle w0.1: c-54.597,2.496 r1.025
  circle w0.1: c-54.622,59.045 r1.025
  lines w0.1: -81.6,30.779 -61.275,30.779 ; -80.675,2.504 -54.625,2.504 ; -80.675,59.054 -54.625,59.054 ; -69.44,56.374 -65.597,61.296 -65.597,59.996 ; -69.097,1.546 -69.097,59.996 ; -69.097,59.995 -68.647,59.995 ; -68.647,1.546 -68.647,59.996 ccw(c-67.847,59.996) -67.047,59.996 -67.047,1.546 ; -67.525,55.852 -66.597,56.795 ; -67.047,59.995 -65.597,59.995 ; -66.597,4.746 -54.597,4.746 cw(c-54.597,2.496) -54.597,0.246 -65.597,0.246 ; -66.597,4.771 -66.597,56.771 ; -62.734,50.145 ccw(c-62.734,51.139) -62.734,52.133 ; -55.597,2.496 -53.597,2.496 ; -55.597,59.045 -53.597,59.045 ; -54.629,2.521 -54.629,59.061 ; -54.597,1.496 -54.597,3.496 ; -54.597,58.045 -54.597,60.045 ; -19.546,12.318 -19.546,13.618
Mechanical 8:
  circle w0.1: c-54.6,2.5 r1.35
  circle w0.1: c0,63 r1.35
  circle w0.1: c2,4.3 r0.65
  circle w0.1: c0,0 r1.35
  circle w0.1: c0,63 r2.9
  circle w0.1: c0,0 r2.9
  lines w0.1: -65.6,5.8 -34.6,5.8 -34.6,55.8 -65.6,55.8 ; -55.6,2.5 -54.6,2.5 ; -54.6,1.5 -54.6,2.5 ; -54.6,3.5 -54.6,2.5 ; -53.6,2.5 -54.6,2.5 ; -1,0 0,0 ; 0,-1 0,0 ; 0,1 0,0 ; 1,0 0,0 ; 1,4.3 2,4.3 ; 2,3.3 2,4.3 ; 2,5.3 2,4.3 ; 3,4.3 2,4.3 ; 6.7,6.7 7.7,6.7 ; 7.7,5.7 7.7,6.7 ; 7.7,7.7 7.7,6.7 ; 8.7,6.7 7.7,6.7
Mechanical 9:
  lines w0.1: -54.1,63.4 -54.1,62.3 cw(c-55.1,62.3) -55.1,61.3 -65.6,61.3 -65.6,0.3 -50.8,0.3 ; -47.6,0.3 -39.5,0.3 cw(c-39.5,-0.7) -38.5,-0.7 -38.5,-3 -16.2,-3 ; -47.6,63.4 -44.3,63.4 ccw(c-44.3,64.4) -43.3,64.4 -43.3,66 -16.2,66 ; -13,-3 10.9,-3 10.9,29.9 ; -13,66 10.9,66 10.9,33.1
Mechanical 10:
  lines w0.1: -70.6,-3 -65.6,-3 -65.6,-8 ; -70.6,61.3 -65.6,61.3 -65.6,66.3 ; -41,-3 -38.5,-3 -38.5,-5.5 ; -38.289,62.404 -35.789,62.404 ; -38.278,62.048 -38.278,64.548 ; -22.048,12.372 -19.548,12.372 -19.548,9.872 ; 15.9,-3 10.9,-3 ; 10.9,-3 10.9,-8 10.9,-3
Drill Drawing:
  lines w0.1: -56.1,62.3 -55.1,62.3 ; -55.1,61.3 -55.1,62.3 ; -55.1,63.3 -55.1,62.3 ; -54.1,62.3 -55.1,62.3 ; -45.3,64.4 -44.3,64.4 ; -44.3,63.4 -44.3,64.4 ; -44.3,65.4 -44.3,64.4 ; -43.3,64.4 -44.3,64.4 ; -40.5,-0.7 -39.5,-0.7 ; -39.5,-1.7 -39.5,-0.7 ; -39.5,0.3 -39.5,-0.7 ; -38.5,-0.7 -39.5,-0.7

## Dimensions
-39.5,-0.7 to -36.152,2.648 on Drill Drawing
-38.5,-0.7 to -65.6,4.91 on Drill Drawing
10.9,66 to -66.09,56.2 on Drill Drawing

## Text inside footprints (layer, text, board x,y; h text height)
J1: TopOverlay "1" at -6.534,6.142 h1; TopOverlay "40" at -4.045,56.713 h1 r90; Mechanical 11 "e" at 2.307,1.541 h1; Mechanical 11 "d" at 3.545,1.502 h1; Mechanical 11 "c" at 4.921,1.519 h1; Mechanical 11 "b" at 6.191,1.519 h1; Mechanical 11 "a" at 7.461,1.519 h1; Mechanical 11 "f" at 1.039,1.375 h1; Mechanical 11 "h" at -1.556,1.519 h1; Mechanical 11 "g" at -0.231,1.629 h1; Mechanical 11 "j" at -2.771,1.629 h1; Mechanical 11 "k" at -3.914,1.502 h1; Mechanical 14 "1" at -6.073,6.074 h1; Mechanical 14 "40" at -5.112,58.796 h1 r270; Mechanical 14 "k" at -3.914,1.502 h1; Mechanical 14 "j" at -2.771,1.629 h1; Mechanical 14 "g" at -0.231,1.629 h1; Mechanical 14 "h" at -1.556,1.519 h1; Mechanical 14 "f" at 1.039,1.375 h1; Mechanical 14 "e" at 2.307,1.541 h1; Mechanical 14 "d" at 3.545,1.502 h1; Mechanical 14 "c" at 4.921,1.519 h1; Mechanical 14 "b" at 6.191,1.519 h1; Mechanical 14 "a" at 7.461,1.519 h1
J2A: TopOverlay "B1" at -45.542,5.258 h1.2 r270; TopOverlay "A1" at -50.36,7.904 h1.2 r270; Mechanical 14 "B1" at -43.71,7.054 h1.2 r270; Mechanical 14 "A1" at -50.36,7.904 h1.2 r270; Mechanical 8 "PCB Edge" at -69.11,18.479 h1.2 r270
J2B: TopOverlay "B1" at -45.466,25.07 h1.2 r270; TopOverlay "A1" at -50.36,27.704 h1.2 r270; Mechanical 14 "B1" at -43.71,26.854 h1.2 r270; Mechanical 14 "A1" at -50.36,27.704 h1.2 r270; Mechanical 8 "PCB Edge" at -69.11,38.279 h1.2 r270